# KiCad board access-controller.kicad_pcb (continued)
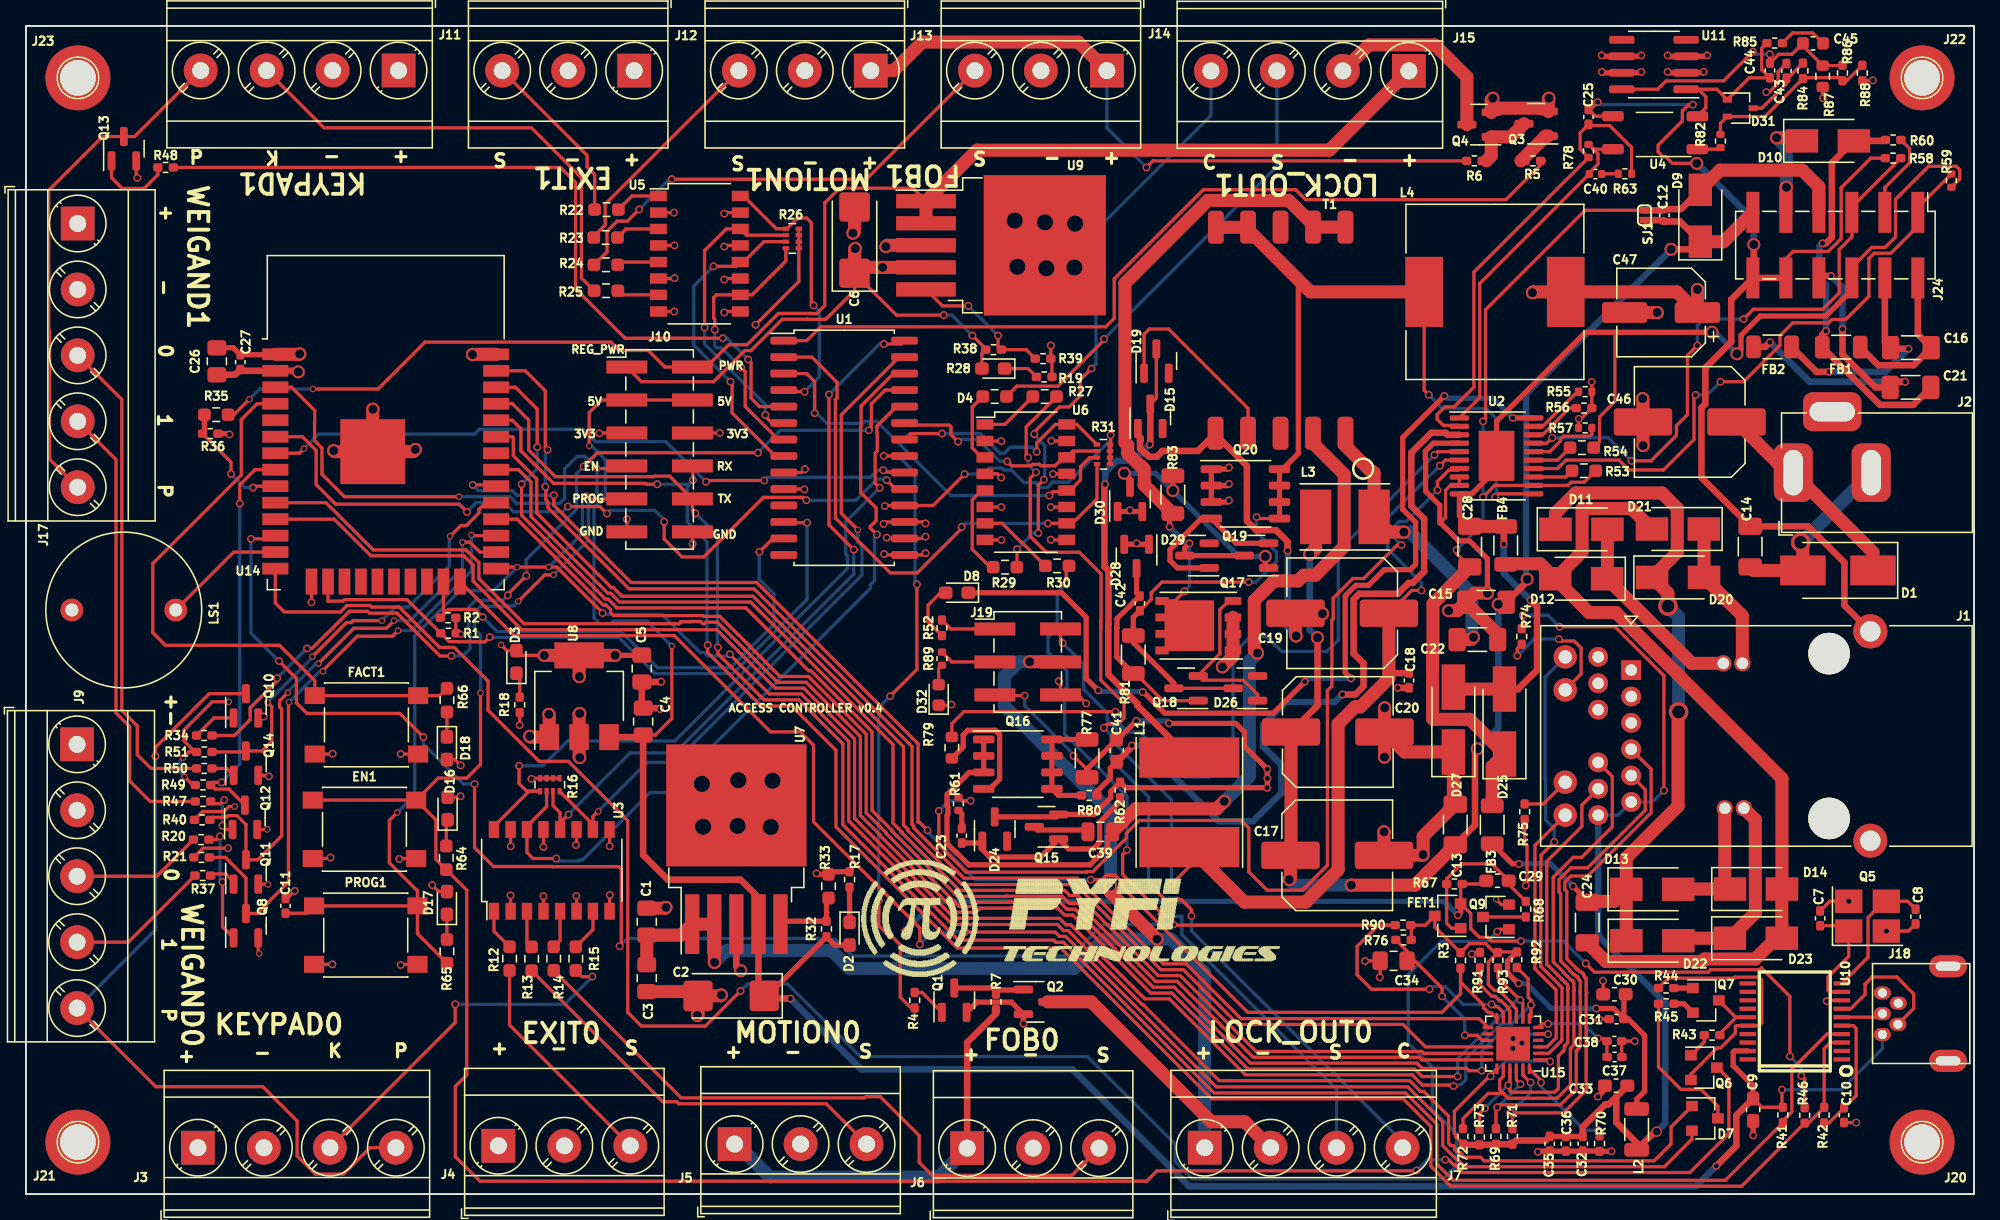
[diagram p0: board, top side]
## Library data of the parts (continued)
R74 R75 = -: LCSC: C25879; Part Number: 0402WGF2201TCE
R77 = -: LCSC: C104930; Part Number: 0402WGF0000TCE
R79 = -: LCSC: C22859; Part Number: 0603WAF100JT5E
R81 R83 = -: LCSC: C17944; Part Number: 1206W4F2001T5E
R86 = -: LCSC: C26978; Part Number: 0402WGF4122TCE
R87 = -: LCSC: C25950; Part Number: 0603WAF1102T5E
R89 = -: LCSC: C113479; Part Number: 0402WGF2871TCE
T1 = -: Part Number: PA2649NL
U1 = -: LCSC: C47023; Part Number: MCP23017-E/SO
U2 = -: LCSC: C181651; Part Number: TPS23754PWPR
U3 U5 U6 = -: LCSC: C60900; Part Number: TLP291-4(GB-TP,E(T
U4 = -: LCSC: C66405; Part Number: PC817X2CSP9F
U7 U9 = -: LCSC: C11149; Part Number: MIC29302WU-TR
U8 = -: LCSC: C347222; Part Number: AMS1117-3.3
U10 = -: LCSC: C8689; Part Number: CH340T
U11 = -: LCSC: C352987; Part Number: TL431ACDBVR
U14 = -: LCSC: C82899
U15 = -: LCSC: C45223; Part Number: LAN8720A-CP-TR

## Footprints (pads in the part's own frame, mm; a bottom-side part is the same pattern mirrored in y, then rotated)
BarrelJack_OD5.5_ID2.5
  rrect 3x4.5 hole 1.5x3.5: 1(0,0) 2(-6,0)
  rrect 4.5x3 hole 3.5x1.5: 3(-3,-4.7)
C_0402_1005Metric
  rrect 0.56x0.62 smd: 1(-0.48,0) 2(0.48,0)
C_0402_1005Metric_Pad0.74x0.62mm_HandSolder
  rrect 0.735x0.62 smd: 1(-0.568,0) 2(0.568,0)
C_0603_1608Metric
  rrect 0.9x0.95 smd: 1(-0.775,0) 2(0.775,0)
C_0603_1608Metric_Pad1.08x0.95mm_HandSolder
  rrect 1.075x0.95 smd: 1(-0.863,0) 2(0.863,0)
C_0805_2012Metric
  rrect 1x1.45 smd: 1(-0.95,0) 2(0.95,0)
C_0805_2012Metric_Pad1.18x1.45mm_HandSolder
  rrect 1.175x1.45 smd: 1(-1.038,0) 2(1.038,0)
C_1206_3216Metric_Pad1.33x1.80mm_HandSolder
  rrect 1.325x1.8 smd: 1(-1.562,0) 2(1.562,0)
C_Elec_8x10.2
  rrect 4.5x2.1 smd: 1(-3.6,0) 2(3.6,0)
CP_EIA-6032-15_Kemet-U_Pad2.25x2.35mm_HandSolder
  rrect 2.25x2.35 smd: 1(-2.55,0) 2(2.55,0)
CP_Elec_6.3x5.4
  rrect 3.5x1.6 smd: 1(-2.8,0) 2(2.8,0)
Crystal_SMD_3225-4Pin_3.2x2.5mm_HandSoldering
  rect 2.1x1.8 smd: 1(-1.45,-1.15) 2(1.45,-1.15) 3(1.45,1.15) 4(-1.45,1.15)
D_SMA
  rect 2.5x1.8 smd: 1(-2,0) 2(2,0)
D_SMA_Handsoldering
  rect 3.5x1.8 smd: 1(-2.5,0) 2(2.5,0)
D_SMB_Handsoldering
  rect 3.5x2.3 smd: 1(-2.7,0) 2(2.7,0)
ESP32-WROOM-32
  rect 2x0.9 smd: 1(-8.5,8.255) 2(-8.5,6.985) 3(-8.5,5.715) 4(-8.5,4.445) 5(-8.5,3.175) 6(-8.5,1.905) 7(-8.5,0.635) 8(-8.5,-0.635) 9(-8.5,-1.905) 10(-8.5,-3.175) 11(-8.5,-4.445) 12(-8.5,-5.715) 13(-8.5,-6.985) 14(-8.5,-8.255) 25(8.5,-8.255) 26(8.5,-6.985) 27(8.5,-5.715) 28(8.5,-4.445) 29(8.5,-3.175) 30(8.5,-1.905) 31(8.5,-0.635) 32(8.5,0.635) 33(8.5,1.905) 34(8.5,3.175) 35(8.5,4.445) 36(8.5,5.715) 37(8.5,6.985) 38(8.5,8.255)
  rect 0.9x2 smd: 15(-5.715,-9.255) 16(-4.445,-9.255) 17(-3.175,-9.255) 18(-1.905,-9.255) 19(-0.635,-9.255) 20(0.635,-9.255) 21(1.905,-9.255) 22(3.175,-9.255) 23(4.445,-9.255) 24(5.715,-9.255)
  rect 5x5 smd: 39(-1,0.755)
HTSSOP-20-1EP_4.4x6.5mm_P0.65mm_EP2.74x3.86mm
  rrect 2.21x1.56 smd: (0,0.965) (0,-0.965)
  rrect 1.475x0.4 smd: 1(-2.862,2.925) 2(-2.862,2.275) 3(-2.862,1.625) 4(-2.862,0.975) 5(-2.862,0.325) 6(-2.862,-0.325) 7(-2.862,-0.975) 8(-2.862,-1.625) 9(-2.862,-2.275) 10(-2.862,-2.925) 11(2.862,-2.925) 12(2.862,-2.275) 13(2.862,-1.625) 14(2.862,-0.975) 15(2.862,-0.325) 16(2.862,0.325) 17(2.862,0.975) 18(2.862,1.625) 19(2.862,2.275) 20(2.862,2.925)
  rect 2.74x3.86 smd: 21(0,0)
L_1206_3216Metric
  rrect 1.05x1.9 smd: 1(-1.575,0) 2(1.575,0)
L_Taiyo-Yuden_NR-50xx_HandSoldering
  rect 2.4x4.2 smd: 1(-2.25,0) 2(2.25,0)
L_Taiyo-Yuden_NR-80xx_HandSoldering
  rect 3.1x7.7 smd: 1(-3.45,0) 2(3.45,0)
L_Wuerth_HCM-1350
  rect 2.9x5.4 smd: 1(-5.45,0) 2(5.45,0)
LED_0603_1608Metric
  rrect 0.875x0.95 smd: 1(-0.787,0) 2(0.787,0)
LED_0603_1608Metric_Pad1.05x0.95mm_HandSolder
  rrect 1.05x0.95 smd: 1(-0.875,0) 2(0.875,0)
Mount_Hole
  round 5 hole 2.75: 1(0,0)
Opto_PC817X2CSP9F
  rrect 1.66x0.79 smd: 1(-3.11,1.58) 2(-3.11,-0.95) 3(3.39,-0.96) 4(3.39,1.58)
PinHeader_2x03_P2.54mm_Vertical_SMD
  rect 3.15x1 smd: 1(-2.525,2.54) 2(2.525,2.54) 3(-2.525,0) 4(2.525,0) 5(-2.525,-2.54) 6(2.525,-2.54)
PinHeader_2x06_P2.54mm_Vertical_SMD
  rect 3.15x1 smd: 1(-2.525,6.35) 2(2.525,6.35) 3(-2.525,3.81) 4(2.525,3.81) 5(-2.525,1.27) 6(2.525,1.27) 7(-2.525,-1.27) 8(2.525,-1.27) 9(-2.525,-3.81) 10(2.525,-3.81) 11(-2.525,-6.35) 12(2.525,-6.35)
PowerPAK_SO-8_Single
  rect 1.27x0.61 smd: 1(-2.67,1.905) 2(-2.67,0.635) 3(-2.67,-0.635) 4(-2.67,-1.905)
  rect 3.81x3.91 smd: 5(0.69,0)
  rect 1.02x0.61 smd: 5(2.795,1.905) 5(2.795,0.635) 5(2.795,-0.635) 5(2.795,-1.905)
QFN-24-1EP_4x4mm_P0.5mm_EP2.6x2.6mm
  rrect 1.05x1.05 smd: (-0.65,0.65) (-0.65,-0.65) (0.65,0.65) (0.65,-0.65)
  rrect 0.825x0.25 smd: 1(-1.938,1.25) 2(-1.938,0.75) 3(-1.938,0.25) 4(-1.938,-0.25) 5(-1.938,-0.75) 6(-1.938,-1.25) 13(1.938,-1.25) 14(1.938,-0.75) 15(1.938,-0.25) 16(1.938,0.25) 17(1.938,0.75) 18(1.938,1.25)
  rrect 0.25x0.825 smd: 7(-1.25,-1.938) 8(-0.75,-1.938) 9(-0.25,-1.938) 10(0.25,-1.938) 11(0.75,-1.938) 12(1.25,-1.938) 19(1.25,1.938) 20(0.75,1.938) 21(0.25,1.938) 22(-0.25,1.938) 23(-0.75,1.938) 24(-1.25,1.938)
  rect 2.6x2.6 smd: 25(0,0)
R_0402_1005Metric
  rrect 0.54x0.64 smd: 1(-0.51,0) 2(0.51,0)
R_0402_1005Metric_Pad0.72x0.64mm_HandSolder
  rrect 0.715x0.64 smd: 1(-0.598,0) 2(0.598,0)
R_0603_1608Metric
  rrect 0.8x0.95 smd: 1(-0.825,0) 2(0.825,0)
R_0603_1608Metric_Pad0.98x0.95mm_HandSolder
  rrect 0.975x0.95 smd: 1(-0.912,0) 2(0.912,0)
R_1206_3216Metric
  rrect 1.125x1.75 smd: 1(-1.462,0) 2(1.462,0)
R_Array_Concave_4x0402
  rect 0.5x0.32 smd: 1(-0.5,0.75) 2(-0.5,0.25) 3(-0.5,-0.25) 4(-0.5,-0.75) 5(0.5,-0.75) 6(0.5,-0.25) 7(0.5,0.25) 8(0.5,0.75)
RJ45_JK0-0177NL
  round 3.2 hole 3.2 unplated: (10.04,6.34) (10.04,-6.36)
  rect 1.524x1.524 hole 0.89: 1(-5.2,5.07)
  round 1.524 hole 0.89: 2(-5.2,3.038) 3(-5.2,1.006) 4(-5.2,-1.026) 5(-5.2,-3.058) 6(-5.2,-5.09) 7(-7.74,6.086) 8(-7.74,4.054) 9(-7.74,2.022) 10(-7.74,-2.042) 11(-7.74,-4.074) 12(-7.74,-6.106)
  round 1.8 hole 1.025: 13(-10.28,6.086) 14(-10.28,3.546) 15(-10.28,-3.566) 16(-10.28,-6.106)
  round 1.25 hole 0.89: 17(1.9,5.59) 18(2.01,-5.58) 19(3.36,5.6) 20(3.47,-5.57)
  round 2.63 hole 1.57: SH(13.215,8.055)
  round 2.61 hole 1.57: SH(13.215,-8.075)
S_YXDZ
  round 1.75 hole 1: 1(0,4) 2(0,-4)
SJUMP
  rect 0.508x0.762 smd: 1(-0.381,0) 2(0.381,0)
SOIC-8_3.9x4.9mm_P1.27mm
  rrect 1.95x0.6 smd: 1(-2.475,1.905) 2(-2.475,0.635) 3(-2.475,-0.635) 4(-2.475,-1.905) 5(2.475,-1.905) 6(2.475,-0.635) 7(2.475,0.635) 8(2.475,1.905)
SOIC-28W_7.5x17.9mm_P1.27mm
  rrect 2.05x0.6 smd: 1(-4.65,8.255) 2(-4.65,6.985) 3(-4.65,5.715) 4(-4.65,4.445) 5(-4.65,3.175) 6(-4.65,1.905) 7(-4.65,0.635) 8(-4.65,-0.635) 9(-4.65,-1.905) 10(-4.65,-3.175) 11(-4.65,-4.445) 12(-4.65,-5.715) 13(-4.65,-6.985) 14(-4.65,-8.255) 15(4.65,-8.255) 16(4.65,-6.985) 17(4.65,-5.715) 18(4.65,-4.445) 19(4.65,-3.175) 20(4.65,-1.905) 21(4.65,-0.635) 22(4.65,0.635) 23(4.65,1.905) 24(4.65,3.175) 25(4.65,4.445) 26(4.65,5.715) 27(4.65,6.985) 28(4.65,8.255)
SOP-8_3.9x4.9mm_P1.27mm
  rrect 1.65x0.6 smd: 1(-2.625,1.905) 2(-2.625,0.635) 3(-2.625,-0.635) 4(-2.625,-1.905) 5(2.625,-1.905) 6(2.625,-0.635) 7(2.625,0.635) 8(2.625,1.905)
SOP-16_4.4x10.4mm_P1.27mm
  rect 1.3x0.8 smd: 1(-3.15,4.45) 2(-3.15,3.17) 3(-3.15,1.91) 4(-3.15,0.64) 5(-3.15,-0.64) 6(-3.15,-1.91) 7(-3.15,-3.17) 8(-3.15,-4.45) 9(3.15,-4.45) 10(3.15,-3.17) 11(3.15,-1.91) 12(3.15,-0.64) 13(3.15,0.64) 14(3.15,1.91) 15(3.15,3.17) 16(3.15,4.45)
SOT-23
  rect 0.9x0.8 smd: 1(-1,0.95) 2(-1,-0.95) 3(1,0)
SOT-23#2
  rrect 1.475x0.6 smd: 1(-0.938,0.95) 2(-0.938,-0.95) 3(0.938,0)
SOT-223-3_TabPin2
  rect 2x1.5 smd: 1(-3.15,2.3) 2(-3.15,0) 3(-3.15,-2.3)
  rect 2x3.8 smd: 2(3.15,0)
SOT-323_SC-70
  rect 0.7x0.45 smd: 1(-1,0.65) 2(-1,-0.65) 3(1,0)
SSOP-20W
  rect 0.325x1.27 smd: 1(-2.925,-3.619) 2(-2.275,-3.619) 3(-1.625,-3.619) 4(-0.975,-3.619) 5(-0.325,-3.619) 6(0.325,-3.619) 7(0.975,-3.619) 8(1.625,-3.619) 9(2.275,-3.619) 10(2.925,-3.619) 11(2.925,3.619) 12(2.275,3.619) 13(1.625,3.619) 14(0.975,3.619) 15(0.325,3.619) 16(-0.325,3.619) 17(-0.975,3.619) 18(-1.625,3.619) 19(-2.275,3.619) 20(-2.925,3.619)
SW_SPST_PTS645
  rect 1.55x1.3 smd: 1(-3.98,2.25) 1(3.98,2.25) 2(-3.98,-2.25) 2(3.98,-2.25)
T_PA2649NL
  rrect 1.22x2.54 smd: 1(5.16,-7.85) 2(2.66,-7.85) 3(0.16,-7.85) 4(-2.34,-7.85) 5(-4.84,-7.85) 6(-4.82,8.02) 7(-2.34,8.03) 8(0.16,8.03) 9(2.66,8.03) 10(5.16,8.03)
TerminalBlock_Phoenix_MKDS-3-3-5.08_1x03_P5.08mm_Horizontal
  rect 2.6x2.6 hole 1.3: 1(0,0)
  round 2.6 hole 1.3: 2(5.08,0) 3(10.16,0)
TerminalBlock_Phoenix_MKDS-3-4-5.08_1x04_P5.08mm_Horizontal
  rect 2.6x2.6 hole 1.3: 1(0,0)
  round 2.6 hole 1.3: 2(5.08,0) 3(10.16,0) 4(15.24,0)
TerminalBlock_Phoenix_MKDS-3-5-5.08_1x05_P5.08mm_Horizontal
  rect 2.6x2.6 hole 1.3: 1(0,0)
  round 2.6 hole 1.3: 2(5.08,0) 3(10.16,0) 4(15.24,0) 5(20.32,0)
TO-263-5_TabPin3
  rect 4.55x5.25 smd: (0.95,2.775) (0.95,-2.775) (5.8,2.775) (5.8,-2.775)
  rect 4.6x1.1 smd: 1(-5.775,3.4) 2(-5.775,1.7) 3(-5.775,0) 4(-5.775,-1.7) 5(-5.775,-3.4)
  rect 9.4x10.8 smd: 3(3.375,0)
USB-mini-B-0548190519
  oval 1.3x1 hole 0.7: 1(5.055,5.258) 2(3.861,4.47) 3(5.055,3.658) 4(3.835,2.845) 5(5.055,2.057)
  oval 2.9x1.7 hole 1.9x0.7: 5(0,7.29) 5(0,0)

## Nets
+3V3: C5.1 C26.1 C27.1 C29.1 D3.2 D16.2 D17.2 D18.2 FET1.2 J10.5 J10.6 R1.2 R2.2 R16.5 R16.6 R16.7 R16.8 R21.2 R26.5 R26.6 R26.7 R26.8 R31.5 R31.6 R31.7 R31.8 R40.2 R46.2 R49.2 R51.2 R67.2 U1.9 U1.18 U8.2 U14.2
/5V: C2.1 C4.1 C9.1 D2.2 J10.3 J10.4 J18.1 R32.1 R41.1 U7.4 U8.3 U10.19
/Ethernet/3V3_LAN: C30.1 C31.2 FET1.3 L2.1 R3.1 R76.2 R90.2 R92.2 R93.1 U15.9
/Ethernet/VDDCR: C37.1 C38.2 U15.6
/PoE/48V: C16.1 FB1.2 J24.2
/PoE/VDD: C12.2 C28.1 D9.2 D25.1 FB3.1 J24.7 R53.1 SJ1.1 U2.12
/PoE/VDD1: C42.1 D26.3 L4.1 Q18.3 Q20.5 Q20.6 Q20.7 Q20.8 R81.2 T1.6 T1.7 U2.11
/PoE/VSS: C28.2 D25.2 D27.2 FB4.2 J24.6 R54.1 R59.1 U2.10 U2.21
GND: C1.2 C2.2 C3.2 C4.2 C5.2 C6.2 C7.2 C8.2 C9.2 C10.2 C11.2 C14.2 C26.2 C27.2 C30.2 C31.1 C32.1 C33.2 C34.1 C35.1 C36.1 C37.2 C38.1 C43.2 C46.2 C47.2 D1.2 D28.1 D28.2 D30.1 D30.2 D32.1 EN1.2 FACT1.2 J2.2 J2.3 J3.2 J4.2 J5.2 J6.2 J9.2 J10.11 J10.12 J11.2 J12.2 J13.2 J14.2 J17.2 J18.5 J19.6 J20.1 J21.1 J22.1 J23.1 LS1.2 PROG1.2 Q1.2 Q2.2 Q3.2 Q4.2 Q5.2 Q5.4 Q8.2 Q9.2 Q10.2 Q11.2 Q12.2 Q13.2 Q14.2 Q17.1 Q17.2 Q17.3 Q20.1 Q20.2 Q20.3 R17.1 R18.1 R19.1 R33.2 R36.1 R39.2 R55.2 R56.1 R57.2 R70.2 R75.2 R87.2 R91.1 U1.10 U1.15 U1.16 U1.17 U3.2 U3.4 U3.6 U3.8 U3.9 U3.11 U3.13 U3.15 U5.2 U5.4 U5.6 U5.8 U5.9 U5.11 U5.13 U5.15 U6.2 U6.4 U6.6 U6.8 U6.9 U6.11 U6.13 U6.15 U7.3 U8.1 U9.3 U10.8 U11.2 U11.3 U11.6 U11.7 U14.1 U14.15 U14.38 U14.39 U15.25
/CT: C32.2 C33.1 C35.2 C36.2 J1.6 J1.12 L2.2 R69.1 R71.1 R72.1 R73.1 R74.1 U15.1 U15.19
/EMAC_CLK_OUT: U14.28 U15.5
/EMAC_RX_CRS_DV: R90.1 U14.12 U15.11
/EMAC_RXD0: R93.2 U14.10 U15.8
/EMAC_RXD1: R92.1 U14.11 U15.7
/EMAC_TX_EN: U14.33 U15.16
/EMAC_TXD0: U14.31 U15.17
/EMAC_TXD1: U14.36 U15.18
/ESP_EN: EN1.1 J10.7 Q6.3 R64.1 U14.3
/Ethernet/RBIAS: R70.1 U15.24
/Ethernet/RST: C34.2 R76.1 U15.15
/Ethernet/RXER: R91.2 U15.10
/EXIT0: J4.3 R12.2
/EXIT0_SENSE: R16.2 U1.26 U3.14
/EXIT1: J12.3 R22.2
/EXIT1_SENSE: R26.2 U1.6 U5.14
/FOB0: J6.3 R14.2
/FOB0_SENSE: R16.3 U1.28 U3.12
/FOB1: J14.3 R24.2
/FOB1_SENSE: R26.3 U1.8 U5.12
/INTA: U1.19 U14.6
/INTB: U1.20 U14.7
/IO2: D7.2 U14.24
/KEYPAD0: J3.3 R15.2
/KEYPAD0_SENSE: R16.1 U1.24 U3.16
/KEYPAD1: J11.3 R25.2
/KEYPAD1_SENSE: R26.1 U1.4 U5.16
/LL_N: J1.15 R75.1
/LL_P: J1.16 U15.3
/LOCK0_CLOSE: J7.4 R27.2
/LOCK0_CLOSE_IO: R31.2 U1.23 U6.14
/LOCK0_CONTROL: R4.2 U1.21
/LOCK0_OUT: J7.2 Q2.3
/LOCK0_SENSE: R31.1 U1.22 U6.16
/LOCK0_STATE: J7.3 R30.2
/LOCK1_CLOSE: J15.4 R29.2
/LOCK1_CLOSE_IO: R31.3 U1.3 U6.12
/LOCK1_CONTROL: R5.2 U1.1
/LOCK1_OUT: J15.2 Q4.3
/LOCK1_SENSE: R31.4 U1.2 U6.10
/LOCK1_STATE: J15.3 R28.2
/MDC: U14.37 U15.13
/MDIO: R3.2 U14.30 U15.12
/Microcontroller/FACT: FACT1.1 R66.1 U14.4
/MOTION0: J5.3 R13.2
/MOTION0_SENSE: R16.4 U1.27 U3.10
/MOTION1: J13.3 R23.2
/MOTION1_SENSE: U1.7
/MOTION1_SENSE1: R26.4 U5.10
/PHY_PWR: Q9.1 U14.14
/PoE/APD: J24.5 R58.2 U2.17
/PoE/BLNK: R56.2 U2.18
/PoE/CLS: R54.2 U2.15
/PoE/CS: C41.1 R80.1 U2.3
/PoE/CTL: C40.2 R78.2 U2.1 U4.4
/PoE/CTL_LED: J19.3 R89.2
/PoE/DEN: R53.2 U2.13
/PoE/DT: R57.1 U2.16
/PoE/FRS: R55.1 U2.19
/PoE/GAT2: R61.2 U2.7
/PoE/GATE: R79.2 U2.5
/PoE/PPD: J24.1 R59.2 U2.14
/PoE/PRI-: C39.2 Q16.1 Q16.2 Q16.3 T1.2
/PoE/T2P: D8.1 U2.20
/PoE/VB: C25.1 R63.1 R78.1 U2.2
/PoE/VC: C18.1 C19.1 J19.2 L1.1 U2.6
/POWER: C1.1 C3.1 C46.1 C47.1 D1.1 J2.1 J7.1 J10.2 J15.1 J19.4 L4.2 R35.2 R88.2 U7.1 U7.2 U9.1 U9.2
/PROG: C11.1 D7.1 J10.9 PROG1.1 R65.1 U14.25
/PUSH0: J3.4 J9.5 Q10.3
/PUSH0_IO: R34.1 U1.25
/PUSH1: J11.4 J17.5 Q13.3
/PUSH1_IO: R48.1 U1.5
/PWR_SENSE: R35.1 R36.2 U14.9
/RD+: J1.4 R71.2 U15.23
/RD-: J1.5 R69.2 U15.22
/REG_POWER: C6.1 D4.2 J3.1 J4.1 J5.1 J6.1 J9.1 J10.1 J11.1 J12.1 J13.1 J14.1 J17.1 R6.2 R7.2 R38.1 U9.4
/RL_N: J1.13 U15.2
/RL_P: J1.14 R74.2
/RXD: J10.8 R42.2 R46.1 U10.3 U14.34
/SCL: R1.1 U1.12 U14.16
/SDA: R2.1 U1.13 U14.23
/SPEAKER: LS1.1 U14.13
/TD+: J1.11 R73.2 U15.21
/TD-: J1.10 R72.2 U15.20
/TXD: J10.10 R41.2 U10.4 U14.35
/USB/D+: J18.3 U10.6
/USB/D-: J18.2 U10.7
/USB/D_Com: D7.3 R45.1
/VDC1+: D11.2 D12.1 J1.17
/VDC1-: D13.2 D14.1 J1.18
/VDC2+: D20.2 D21.1 J1.19
/VDC2-: D22.2 D23.1 J1.20
/WG0_DATA0: J9.3 R20.2
/WG0_DATA1: J9.4 R37.2
/WG0_DATA_SENSE0: Q8.3 R21.1 U14.27
/WG0_DATA_SENSE1: Q11.3 R40.1 U14.26
/WG1_DATA0: J17.3 R50.2
/WG1_DATA1: J17.4 R47.2
/WG1_DATA_SENSE0: Q12.3 R49.1 U14.8
/WG1_DATA_SENSE1: Q14.3 R51.1 U14.29
Earth: C13.2 C14.1 C15.2 C17.2 C18.2 C19.2 C20.2 C22.2 C25.2 C41.2 D15.1 D24.3 D27.1 J1.SH J19.5 J24.10 J24.12 Q15.2 R58.1 R62.1 R77.2 T1.5 U2.4 U2.8 U2.9 U4.3
Net-(C7-Pad1): C7.1 Q5.1 U10.9
Net-(C8-Pad1): C8.1 Q5.3 U10.10
Net-(C10-Pad1): C10.1 R42.1 U10.5
Net-(C12-Pad1): C12.1 C13.1 C15.1 C17.1 C20.1 D9.1 J24.11 L3.1 SJ1.2
Net-(C16-Pad2): C16.2 FB2.2 J24.4
Net-(C21-Pad1): C21.1 D10.2 FB1.1 R60.2
Net-(C21-Pad2): C21.2 FB2.1 J24.8
Net-(C22-Pad1): C22.1 L3.2 T1.1
Net-(C23-Pad1): C23.1 D24.1 Q15.1 R62.2
Net-(C23-Pad2): C23.2 R61.1
Net-(C24-Pad1): C24.1 D11.1 D13.1 D20.1 D22.1 FB3.2
Net-(C24-Pad2): C24.2 D12.2 D14.2 D21.2 D23.2 FB4.1
Net-(C29-Pad2): C29.2 FET1.1 R67.1 R68.1
Net-(C39-Pad1): C39.1 Q15.3
Net-(C40-Pad1): C40.1 R63.2
Net-(C42-Pad2): C42.2 D28.3 Q18.1 R81.1
Net-(C43-Pad1): C43.1 D31.3 R84.1
Net-(C44-Pad1): C44.1 D31.1 R85.2 U4.2 U11.1
Net-(C44-Pad2): C44.2 C45.2 R86.2 R87.1 U11.8
Net-(C45-Pad1): C45.1 R85.1
Net-(D2-Pad1): D2.1 R17.2
Net-(D3-Pad1): D3.1 R18.2
Net-(D4-Pad1): D4.1 R19.2
Net-(D8-Pad2): D8.2 R52.1
Net-(D10-Pad1): D10.1 J24.9
Net-(D15-Pad3): D15.3 D19.3 L1.2
Net-(D16-Pad1): D16.1 R64.2
Net-(D17-Pad1): D17.1 R65.2
Net-(D18-Pad1): D18.1 R66.2
Net-(D19-Pad1): D19.1 T1.4
Net-(D26-Pad1): D26.1 Q17.4 Q18.2
Net-(D29-Pad1): D29.1 Q19.2 Q20.4
Net-(D29-Pad3): D29.3 Q17.5 Q19.3 R83.2 T1.9 T1.10
Net-(D30-Pad3): D30.3 Q19.1 R83.1
Net-(D31-Pad2): D31.2 R82.1 R84.2 R86.1 R88.1
Net-(D32-Pad2): D32.2 R89.1
Net-(J19-Pad1): J19.1 R52.2
Net-(J24-Pad3): J24.3 R60.1
Net-(Q1-Pad1): Q1.1 R4.1
Net-(Q1-Pad3): Q1.3 Q2.1 R7.1
Net-(Q3-Pad1): Q3.1 R5.1
Net-(Q3-Pad3): Q3.3 Q4.1 R6.1
Net-(Q6-Pad1): Q6.1 R43.1
Net-(Q6-Pad2): Q6.2 R44.2 U10.16
Net-(Q7-Pad1): Q7.1 R44.1
Net-(Q7-Pad2): Q7.2 R45.2
Net-(Q7-Pad3): Q7.3 R43.2 U10.15
Net-(Q8-Pad1): Q8.1 R20.1
Net-(Q9-Pad3): Q9.3 R68.2
Net-(Q10-Pad1): Q10.1 R34.2
Net-(Q11-Pad1): Q11.1 R37.1
Net-(Q12-Pad1): Q12.1 R47.1
Net-(Q13-Pad1): Q13.1 R48.2
Net-(Q14-Pad1): Q14.1 R50.1
Net-(Q16-Pad4): Q16.4 R79.1
Net-(Q16-Pad5): Q16.5 Q16.6 Q16.7 Q16.8 R77.1 R80.2
Net-(R12-Pad1): R12.1 U3.1
Net-(R13-Pad1): R13.1 U3.3
Net-(R14-Pad1): R14.1 U3.5
Net-(R15-Pad1): R15.1 U3.7
Net-(R22-Pad1): R22.1 U5.1
Net-(R23-Pad1): R23.1 U5.3
Net-(R24-Pad1): R24.1 U5.5
Net-(R25-Pad1): R25.1 U5.7
Net-(R27-Pad1): R27.1 U6.1
Net-(R28-Pad1): R28.1 U6.3
Net-(R29-Pad1): R29.1 U6.5
Net-(R30-Pad1): R30.1 U6.7
Net-(R32-Pad2): R32.2 R33.1 U7.5
Net-(R38-Pad2): R38.2 R39.1 U9.5
Net-(R82-Pad2): R82.2 U4.1

Pads without a net: D15 2; D19 2; D24 2; D26 2; D29 2; J1 1 2 3 7 8 9; J18 4; T1 3 8; U1 11 14; U10 1 2 11 12 13 14 17 18 20; U11 4 5; U14 5 17 18 19 20 21 22 32; U15 4 14

## Via types
v1: diameter 0.6, hole 0.4, Top to Bottom, 312 vias
v2: diameter 1, hole 0.7, Top to Bottom, 62 vias
v3: diameter 2, hole 1.25, Top to Bottom, 12 vias
v4: diameter 1.5, hole 1, Top to Bottom, 3 vias
v5: diameter 0.5, hole 0.35, Top to Bottom, 38 vias
v6: diameter 0.8, hole 0.6, Top to Bottom, 1 via

## Routing (per net, layer and track width the routed paths; a pad name or vN(x,y) marks a point on that pad's centre or on a via; arc(x,y) is an arc through that point)
+3V3: length 171.4
  Top w0.25: D16.2 33.39,30.58 v1(33.46,30.65) ; v1(136.7,9.11) 136.96,8.85 R46.2 ; R2.2 33.1,43.24 ; U1.9 59.72,55.59 v1(59.98,55.85) ; v1(56.17,66.98) 59.51,70.31 R26.5 R26.6 R26.7 R26.8 ; R40.2 13.61,29.47 15.24,29.47 15.63,29.86 v5(16.07,29.86) ; v1(15.56,26.65) 13.63,26.65 R21.2 ; v1(72.27,55.47) 69.86,53.06 U1.18 66.17,53.06 v1(66.13,53.01) ; R31.5 R31.6 R31.7 83.47,57.54 ; R16.5 R16.6 R16.7 R16.8 38.97,32.04 v1(38.92,31.99) ; D17.2 31.78,23.3 v1(31.28,23.8) ; v1(115.11,19.49) 112.84,19.49 112.55,19.78 111.91,19.78 111.25,20.44 111.25,21.61 FET1.2 110.47,23.78 ; v1(83.52,58.47) 83.52,57.59 83.47,57.54 ; J10.6 53.41,58.64 v1(53.42,58.65) ; v1(33.47,33.03) 33.02,33.48 D18.2 ; J10.5 44.16,58.64 v1(44.14,58.62) ; 83.47,57.54 R31.8 ; v5(15.61,37.93) 14.34,37.93 12.16,35.75 12.16,34.92 13.02,34.06 ; v1(135.82,10.61) 135.82,15.23 133.63,17.42 133.49,17.29 129.71,17.29 129.52,17.1 120.77,17.1 v1(120.1,17.77) ; v5(36.58,42.32) 37.02,41.87 D3.2 38.13,41.51 v2(39.91,41.51) ; R67.2 112.19,23.89 ; 12.84,31.52 v5(12.21,32.15) ; v5(12.09,33.63) 12.52,34.06 R51.2 ; 33.21,43.12 v5(33.5,43.12)
  Top w0.4: 47.39,41.51 v2(45.37,41.51) ; FET1.2 110.47,21.71 v1(110.25,21.49)
  Top w0.5: C26.1 16.09,63.12 C27.1 16.6,63.43 U14.2 20.89,63.43 v2(20.97,63.35)
  Top w1: U8.2 v2(39.91,41.51) ; U8.2 v2(45.37,41.51) ; U8.2 42.59,39.89 v2(42.61,39.87) ; v2(42.64,37.03) 42.59,36.98 U8.2 42.59,33.69 v2(42.64,33.63)
  Bottom w0.25: v1(72.27,55.47) 73.72,55.47 74.18,55.93 75.17,55.93 75.31,55.79 75.88,55.79 76.84,54.82 77.76,54.82 77.76,54.79 78.12,54.43 78.64,54.43 79,54.79 79,54.85 80.27,54.85 83.52,58.1 v1(83.52,58.47) ; v1(136.7,9.11) 136.7,9.73 v1(135.82,10.61) ; v1(115.11,19.49) 118.38,19.49 v1(120.1,17.77) ; v5(12.09,33.63) 11.88,33.42 11.88,32.48 v5(12.21,32.15)
  Bottom w0.4: v1(110.25,21.49) 109.19,22.55 88.78,22.55 88.61,22.73 88.03,22.73 87.86,22.55 69.99,22.55 v1(67.71,20.27)
/5V: length 181.5
  Top w0.25: v1(135.21,8.04) 135.21,6.76 ; v5(43.37,57.65) 43.37,60.21 44.34,61.18 J10.3 J10.4 ; C4.1 48.46,35.37 49.73,36.64 v5(49.73,42.23) ; C9.1 133.66,6.69 R41.1
  Top w0.4: D2.2 62.28,19.18 R32.1 57.08,15.27 ; C9.1 132.99,8.36 131.45,9.9 131.45,10.93 131.55,11.03 U10.19
  Top w0.5: C4.1 47.52,26.12 49.42,24.22 55.02,24.22 56.4,22.84 ; v1(58.86,15.06) 57.06,15.06 ; C9.1 131.7,6.07 131.7,3.71 v1(130.16,2.17) ; U8.3 47.36,35.21 ; U7.4 56.4,15.72
  Bottom w0.25: J18.1 142.95,11.21 139.78,8.04 v1(135.21,8.04) ; v5(49.73,42.23) 47.82,44.14 45.23,44.14 45.04,43.95 44.2,43.95 43.74,44.41 43.74,52.94 44.6,53.8 44.6,56.6 43.55,57.65 v5(43.37,57.65)
  Bottom w0.5: v1(58.86,15.06) 64.31,9.61 80.58,9.61 87.92,2.27 87.92,2.26 89.58,0.6 128.59,0.6 v1(130.16,2.17)
/Ethernet/3V3_LAN: length 40.4
  Top w0.25: R76.2 106.67,20.68 ; R90.2 107.76,20.72 FET1.3 108.47,20.59 R3.1 111.16,19.3 112.39,19.3 113.09,18.61 R93.1 112.6,17.87 112.6,16.14 113.06,15.68 113.44,15.68 114.55,14.57 114.55,14.47 114.76,14.26 U15.9 ; R92.2 113.38,18.65
  Top w0.4: 124.03,6.56 124.03,7.31 124.64,7.92 124.64,12.22 123.38,13.48 C31.2 123.04,15.26 ; R92.2 114.08,17.93 114.08,17.03 114.87,16.23 v1(114.93,16.23) ; 123.04,13.51 122.25,14.3 v1(120.91,14.3)
  Bottom w0.4: v1(114.93,16.23) 115.51,16.23 117.44,14.3 v1(120.91,14.3)
/Ethernet/VDDCR: length 7.2
  Top w0.25: v1(117.2,13.12) 116.72,13.12 U15.6 ; v1(121.04,11.99) 121.53,11.99 C38.2 121.73,10.58
  Bottom w0.25: v1(117.2,13.12) 119.91,13.12 v1(121.04,11.99)
/PoE/48V: length 12.4
  Top w0.5: FB1.2 142.63,63.86 145.35,63.86 C16.1 145.67,66.24 J24.2
/PoE/VDD: length 87.2
  Top w0.25: SJ1.1 120.05,75.8 112.39,68.14 112.39,59.74 v1(112.19,59.54) ; R53.1 119.98,54.84 118.98,54.84 118.74,54.6 U2.12 113.09,54.6 v1(112.19,53.7) ; C28.1 110.15,49.34 v1(110.15,49.63)
  Top w0.5: D9.2 127.45,75.9 126.16,75.9 126.06,75.8 SJ1.1
  Top w1: 138.05,75.64 138.05,77.61 136.77,78.89 130.44,78.89 D9.2 ; 111.17,48.32 108.34,45.49 108.34,41.91 108.31,41.88 108.31,36.61 108.34,36.58 111.17,36.58 D25.1 112.9,32.96 FB3.1
  Bottom w0.25: v1(112.19,59.54) v1(112.19,53.7) 112.19,51.67 v1(110.15,49.63)
/PoE/VDD1: length 96.1
  Top w0.25: v1(108.01,61.58) 107.66,61.93 L4.1 ; v1(94.76,52.17) 94.88,52.05 Q20.5 ; v1(94.15,47.15) 87.46,47.15 86.64,46.33 86.64,45.81 C42.1 ; v1(113.12,53.71) 113.36,53.95 U2.11 ; Q18.3 D26.3
  Top w0.4: C42.1 85.26,44.44 R81.2 85.26,42.49 88.39,39.36 Q18.3 ; Q20.5 Q20.6 Q20.7 Q20.8 ; T1.7 97.97,70.63 97.97,57.06 96.77,55.86
  Top w1: L4.1 98.9,69.51 94.1,74.31 ; T1.6 94.09,74.49
  Bottom w0.25: v1(94.15,47.15) 94.16,47.14 94.68,47.14 96.28,48.74 96.28,49.46 94.76,50.98 v1(94.76,52.17) ; v1(113.12,53.71) 113.22,53.81 113.22,59.76 112.46,60.52 109.07,60.52 v1(108.01,61.58)
/PoE/VSS: length 88.9
  Top w0.25: 140.59,71.41 142.12,72.94 143.16,72.94 143.96,73.74 143.96,76.65 146.5,79.19 148.63,79.19 148.9,78.92 148.9,78.22 R59.1 ; 122.35,66.4 122.35,61.07 121.16,59.88 121.16,57.95 R54.1
  Top w0.4: C28.2 110.37,52.25 U2.10 111.33,53.95 113.23,55.85 ; U2.21 113.23,59.54 120.09,66.4 129.82,66.4 v2(129.82,66.41) ; v2(131.74,64.74) 132.06,65.06 132.06,66.17 133.54,67.65 138.58,67.65 138.87,67.94 138.87,67.94 140.59,69.66
  Top w0.5: D25.2 114.88,38.9 116.35,40.37 116.35,45.26 v1(115.86,45.75) ; v1(113.79,50.07) 113.79,51.29
  Top w1: FB4.2 111.18,51.44 ; D25.2 110.07,38.9
  Bottom w0.4: v2(129.82,66.41) 130.08,66.41 v2(131.74,64.74)
  Bottom w0.5: v1(113.79,50.07) 113.79,47.82 v1(115.86,45.75)
GND: length 208.4
  Top w0.25: U6.2 75.1,58.02 v1(75.1,58.02) ; U5.8 v1(49.92,68) ; U3.9 44.94,26.8 v1(44.94,26.8) ; Q11.2 18.61,23.88 v5(18.63,23.86) ; Q14.2 18.61,32.27 v1(18.7,32.18) ; U6.11 78.92,52.94 v1(78.91,52.94) ; U3.8 44.94,23.03 v1(44.95,23.04) ; R87.2 138.35,84.46 v1(138.38,84.43) ; C43.2 134.92,86.47 134.92,85.59 134.23,84.9 v1(134.01,84.9) ; v1(37.33,26.79) 37.32,26.8 U3.15 ; U5.13 53.85,73.09 v1(53.77,73) ; U10.8 138.72,14.92 v1(138.66,14.87) ; v1(49.94,70.57) 49.91,70.54 U5.6 ; v1(111.33,18.48) 111.47,18.62 R91.1 ; U3.11 42.4,26.94 v1(42.34,26.88) ; U3.2 37.32,23 v1(37.31,23.01) ; v1(53.77,70.46) 53.84,70.54 U5.11 ; v1(104.24,16.7) 104.27,16.73 C34.1 103.13,17.97 v1(103.12,17.96) ; R19.1 79,64.28 ; D32.1 71.22,37.67 v1(71.26,37.71) ; v1(121.43,16.44) 121.45,16.42 C30.2 ; v1(28.85,33.91) 28.86,33.9 FACT1.2 ; J10.12 51.31,50.11 v1(51.33,50.1) ; R55.2 120.57,62.59 v1(120.57,62.59) ; v1(140.35,22.56) 138.9,22.56 C7.2 ; v1(39.84,26.74) 39.85,26.75 U3.13 ; v1(59.93,54.3) 59.9,54.33 U1.10 ; v1(140.93,5.51) 140.93,5.51 C10.2 ; U6.13 79.08,55.49 v1(79.08,55.48) ; C8.2 144.95,20.26 v1(143.25,20.26) ; v1(18.3,36.8) 18.18,36.68 Q10.2 ; PROG1.2 23.59,17.7 v1(23.59,17.7) ; v1(42.38,22.97) 42.4,22.95 U3.6 ; v1(69.26,49.38) 69.12,49.25 U1.15 66.14,49.25 v1(66.08,49.31) ; v1(21.98,45.59) 21.98,45.59 U14.15 ; v1(121.13,13.47) 121.14,13.48 121.9,13.48 ; v5(113.2,22.71) 113.61,22.3 Q9.2 ; U6.6 75.1,52.94 v1(75.1,52.94) ; v1(123.87,11.79) 123.86,11.78 C38.1 122.87,10.58 ; Q13.2 8.49,78.37 v1(8.57,78.29) ; R18.1 38.02,36.14 v1(38.01,36.13) ; R57.2 119.55,59.72 v1(119.57,59.74) 119.75,59.74 R56.1 120.57,61.82 ; U5.2 v1(49.89,75.62) ; Q8.2 17.89,18.6 v5(17.96,18.53) ; J19.6 79.66,39.37 v1(79.53,39.51) ; v1(66.03,51.63) 66.19,51.78 U1.17 69.14,51.78 v1(69.26,51.67) ; EN1.2 28.77,25.85 v1(28.74,25.82) ; R39.2 v1(78.91,65.38) ; v1(28.85,17.65) 28.9,17.7 PROG1.2 ; J10.11 46.27,52 v1(46.26,52) ; U6.15 78.97,58.02 v1(78.95,58.04) ; v1(53.77,67.92) 53.84,68 U5.9 ; v5(18.57,28.1) 18.56,28.09 Q12.2 ; v1(75.1,50.4) 75.1,50.4 U6.8 ; v1(23.45,25.93) 23.37,25.85 EN1.2 ; v1(75.09,55.2) 74.8,55.49 U6.4 ; 80.98,38.46 v1(81.64,37.8) ; v1(78.91,50.41) 78.92,50.4 U6.9 ; v1(23.61,33.93) 23.58,33.9 FACT1.2 ; U3.4 39.85,22.94 v1(39.84,22.95) ; v1(53.77,75.54) 53.84,75.62 U5.15 ; v1(66.28,50.57) 66.33,50.52 U1.16 69.12,50.52 v1(69.26,50.65) ; 20.1,22.77 v1(20.69,23.36) ; v1(115.48,23.76) 115.58,23.86 115.58,26.83 115.4,27.01 R75.2 ; U5.4 v1(49.93,73.09)
  Top w0.4: v1(15.67,58.52) 15.6,58.59 R36.1 ; v1(76.81,13.13) 76.8,13.14 Q2.2 75.88,14.78 73.21,14.78 Q1.2 ; C26.2 15.97,65.2 C27.2 19.17,64.67 ; v1(121.33,86.46) 121.4,86.39 U11.7 124.31,86.39 v1(124.38,86.46) ; v1(60.87,24.71) 60.95,24.63 R33.2 ; v1(92.63,54.71) 92.5,54.59 Q20.2 ; v1(129.46,87.73) 129.39,87.66 U11.3 126.48,87.66 v1(126.41,87.73) ; v1(126.41,86.46) 126.48,86.39 U11.2 129.13,86.39 v1(129.2,86.46) ; C9.2 v1(132.99,4.52) ; D30.2 85.11,52.58 v1(85.01,52.68) 84.91,52.58 D30.1 ; Q20.2 Q20.1 92.5,55.86 v1(92.63,55.98) ; Q20.2 Q20.3 92.5,53.32 v1(92.63,53.44) ; D28.1 85.59,50.06 v1(85.52,50.14) 85.44,50.06 D28.2 ; C32.1 121.14,3.32 ; R70.2 122.08,3.29 v1(122.08,3.3) ; v1(116.42,3.25) 116.48,3.31 C35.1 C36.1 119.86,3.31 ; R17.1 62,24.83 ; C33.2 121.58,8.05 v1(121.04,7.51) ; v1(124.38,87.73) 124.31,87.66 U11.6 121.4,87.66 v1(121.33,87.73)
  Top w0.5: v2(55.04,17.21) 54.7,17.55 U7.3 ; C4.2 48.75,37.44 v1(48.82,37.37) ; v1(48.91,39.48) 48.89,39.45 C5.2 47.42,37.55
  Top w1: v2(66.21,73) 66.31,73.1 U9.3 ; C14.2 133.04,48.05 D1.2 136.82,50.04 v4(136.65,50.21) ; v2(124.48,61.29) 124.51,61.26 C47.2 124.51,57.68 v2(124.52,57.67) ; U14.39 26.7,60.46 v2(26.71,60.47) ; U14.39 23.77,57.2 v2(23.69,57.28) ; U14.39 29.81,57.2 v2(29.98,57.37) ; U14.38 34.4,64.7 v2(34.38,64.68) ; v2(92.13,40.62) 92.94,41.43 Q17.1 Q17.2 Q17.3 ; C1.2 49.21,22.02 v2(49.28,22.09) ; v2(53.54,15.34) 53.47,15.27 C2.2 51.75,13.82 v2(51.7,13.76) ; v2(117.27,84.43) 117.22,84.38 Q3.2 116.97,83.67 113.14,83.67 Q4.2 112.82,84.31 v2(112.95,84.43) ; v2(40.26,36.96) 40.29,36.93 U8.1 38.85,35.21 v2(38.79,35.27) ; v2(21.08,64.73) 21.05,64.7 U14.1 ; C46.2 125.6,67.92 v2(125.6,67.92) ; C3.2 51.42,15.6 ; v2(63.67,74.04) 63.8,74.17 C6.2
  Bottom w1: J2.2 136.71,50.21 v4(136.65,50.21)
  vias: v1(114.5,11.98) v1(114.49,11.22) v1(115.19,11.64) v3(52.05,31.6) v3(52.14,28.3) v3(54.8,28.36) v3(54.85,31.89) v3(57.35,28.28) v3(57.48,31.85) v3(76.13,75.01) v3(76.34,71.45) v3(78.46,74.87) v3(78.57,71.33) v3(80.73,71.39) v3(80.78,74.77)
/CT: length 91.6
  Top w0.25: R72.1 110.1,4.39 110.1,4.55 109.99,4.65 109.99,6.38 U15.19 ; v1(115.26,44.59) 115.26,43.65 ; U15.1 117.24,10.34 v1(117.36,10.22) ; v1(118.08,43.71) 122.35,43.71 126.12,39.94 v1(126.12,31.09)
  Top w0.4: 119.86,4.44 C36.2 C35.2
  Top w0.5: v6(125.57,4.81) 125.42,4.81 L2.2 124.02,3.95 122.45,5.52 122.45,7.5 C33.1 121.86,6.91 121.61,6.91 119.87,5.17 C32.2 ; 110.7,3.79 R73.1 113.14,3.79 ; R69.1 R71.1 114.74,4.12 117,4.12 C35.2
  Bottom w0.25: v1(126.12,31.09) 125.24,30.21 J1.6 122.58,29.19 J1.12 ; v1(112.77,9.07) 113.95,10.25 117.33,10.25 v1(117.36,10.22) ; v1(118.08,43.71) 117.2,44.59 v1(115.26,44.59)
  Bottom w0.5: J1.12 121.06,19.91 126.22,14.75 126.22,5.46 v6(125.57,4.81)
/EMAC_CLK_OUT: length 105.7
  Top w0.25: v1(117.2,12.32) 117.17,12.34 U15.5 ; U14.28 37.82,52 44.43,45.39 44.65,45.39 45.02,45.02 45.02,44.8 45.25,44.57 52.13,44.57 52.19,44.51 53.43,44.51 54.84,43.1 54.85,43.1 55.48,42.47 55.74,42.2 55.74,42.19 58.06,39.88 60.25,39.88 64.7,35.43 64.7,29.37 66.22,27.85 66.22,27.79 71.86,22.16 72.95,22.16 73.27,22.48 75.65,22.48 75.67,22.5 79.6,22.5 80.13,21.96 80.17,21.98 80.24,21.94 80.79,21.94 86.8,15.94 88.42,15.94 94.27,10.09 107.11,10.09 107.51,9.68 110.93,9.68 111.1,9.51 v1(112.1,9.51)
  Bottom w0.25: v1(112.1,9.51) 112.1,11.01 113.73,12.64 114.72,12.64 115.05,12.32 v1(117.2,12.32)
/EMAC_RX_CRS_DV: length 135.6
  Top w0.25: U15.11 113.76,13.86 113.71,13.91 113.71,14.04 113.31,14.44 113.03,14.44 v1(112.86,14.61) ; v1(30.6,35.21) 28.78,37.03 21.64,37.03 20.82,37.85 20.82,39.73 v1(19.48,41.07) ; v1(17.33,50.48) 18.95,50.48 ; v1(88.34,20.77) 88.39,20.72 R90.1 104.14,20.72 102.5,19.08 102.5,16.89 103.61,15.78 v1(108.06,15.78) ; v1(34.54,31.59) 34.54,26.69 35.99,25.24 40.56,25.24 40.57,25.23 45.64,25.23 45.84,25.03 45.84,19.23 v1(45.71,19.1)
  Bottom w0.25: v1(19.48,41.07) 17.33,43.22 v1(17.33,50.48) ; v1(112.86,14.61) 110.65,14.61 109.28,15.98 108.26,15.98 v1(108.06,15.78) ; v1(34.54,31.59) 33.69,31.59 30.6,34.68 v1(30.6,35.21) ; v1(88.34,20.77) 82.93,20.77 80.51,18.35 63.61,18.35 62.35,19.6 61.11,19.6 61.02,19.69 46.3,19.69 v1(45.71,19.1)
/EMAC_RXD0: length 126.9
  Top w0.25: v1(110.23,9.06) 107.5,9.06 106.92,9.64 94.08,9.64 88.23,15.49 86.61,15.49 80.6,21.49 79.97,21.49 79.41,22.05 75.86,22.05 75.84,22.03 73.46,22.03 73.12,21.69 72.94,21.69 72.92,21.71 71.67,21.71 65.77,27.61 65.77,27.66 64.25,29.18 64.25,35.25 60.07,39.43 57.87,39.43 55.3,42.01 55.3,42.02 54.67,42.65 54.66,42.65 53.24,44.06 52.35,44.06 52.24,43.94 52.12,43.94 51.94,44.12 51.2,44.12 51.17,44.09 50.43,44.09 50.28,43.94 38.35,43.94 34.88,47.42 34.88,48.65 33.9,49.63 26.74,49.63 23.1,53.27 U14.10 ; U15.8 115.26,14.73 v1(115.05,14.94) 113.34,16.65 R93.2
  Bottom w0.25: v1(115.05,14.94) 114.76,14.94 110.23,10.42 v1(110.23,9.06)
/EMAC_RXD1: length 127.1
  Top w0.25: U14.11 23.73,52 26.56,49.18 33.71,49.18 34.43,48.46 34.43,47.23 38.18,43.48 53.19,43.48 54.47,42.2 54.48,42.2 54.85,41.83 54.85,41.82 55.11,41.56 57.69,38.98 59.88,38.98 63.8,35.06 63.8,28.95 65.32,27.43 65.32,27.42 71.52,21.22 71.81,21.22 71.85,21.26 72.73,21.26 72.75,21.24 79.59,21.24 80.08,20.75 80.43,20.75 85.97,15.21 85.99,15.21 86.16,15.04 88.04,15.04 93.89,9.19 106.73,9.19 107.52,8.4 109.84,8.4 v1(109.92,8.32) ; U15.7 115.88,13.65 v1(115.88,14.58) 115.88,14.95 115.68,15.15 115.68,16.58 R92.1
  Bottom w0.25: v1(115.88,14.58) 114.39,13.09 113.55,13.09 110.86,10.41 110.86,8.8 110.49,8.43 110.34,8.43 110.23,8.32 v1(109.92,8.32)
